# Altium PCB Motherboard PCB.PcbDoc (part 1 of 3)
Units mm, origin at the board's own origin, x right, y up, seen from the top; angles counter-clockwise.
Board outline 224.71 x 151.45 mm, 4 copper layers (Top Layer 1, Top Layer, Bottom Layer, Bottom Layer 1), stack 0.812 mm thick; 63 components, 127 nets, 504 pads, 652 vias.
Unrouted connection lines stored in the file: 1.
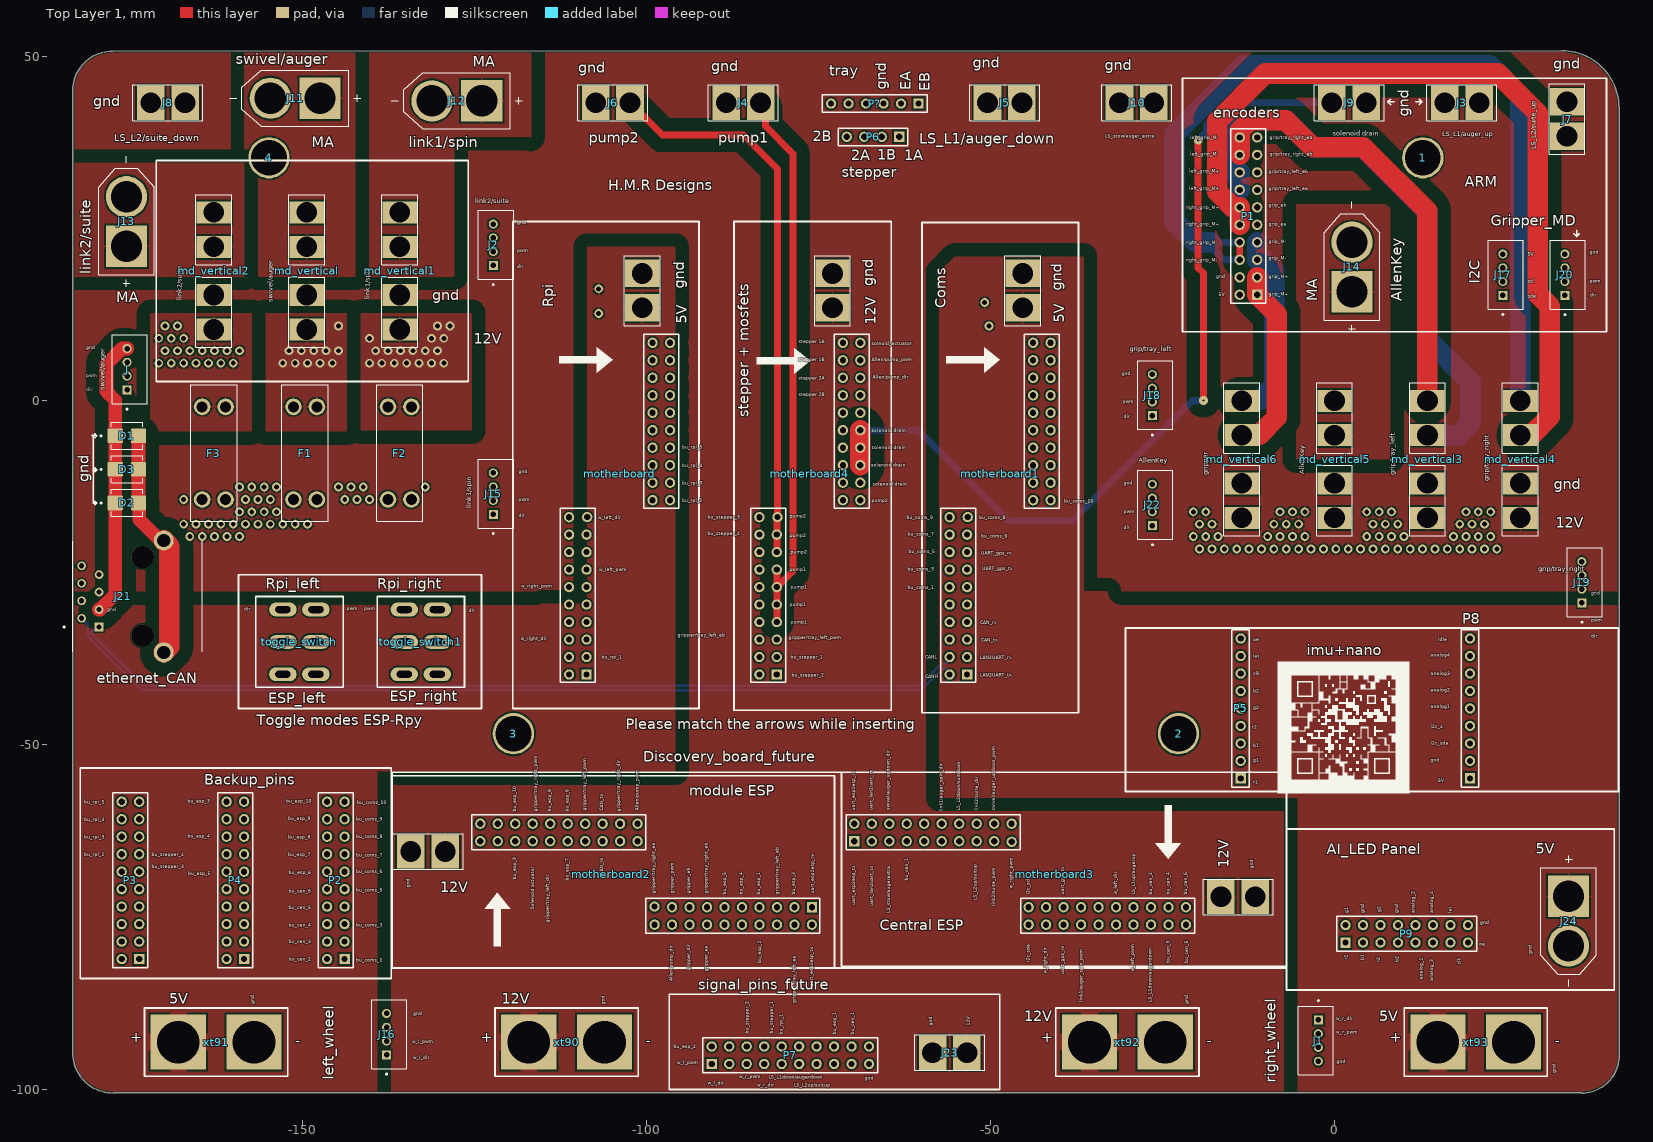
[diagram p0: Top Layer 1 view]
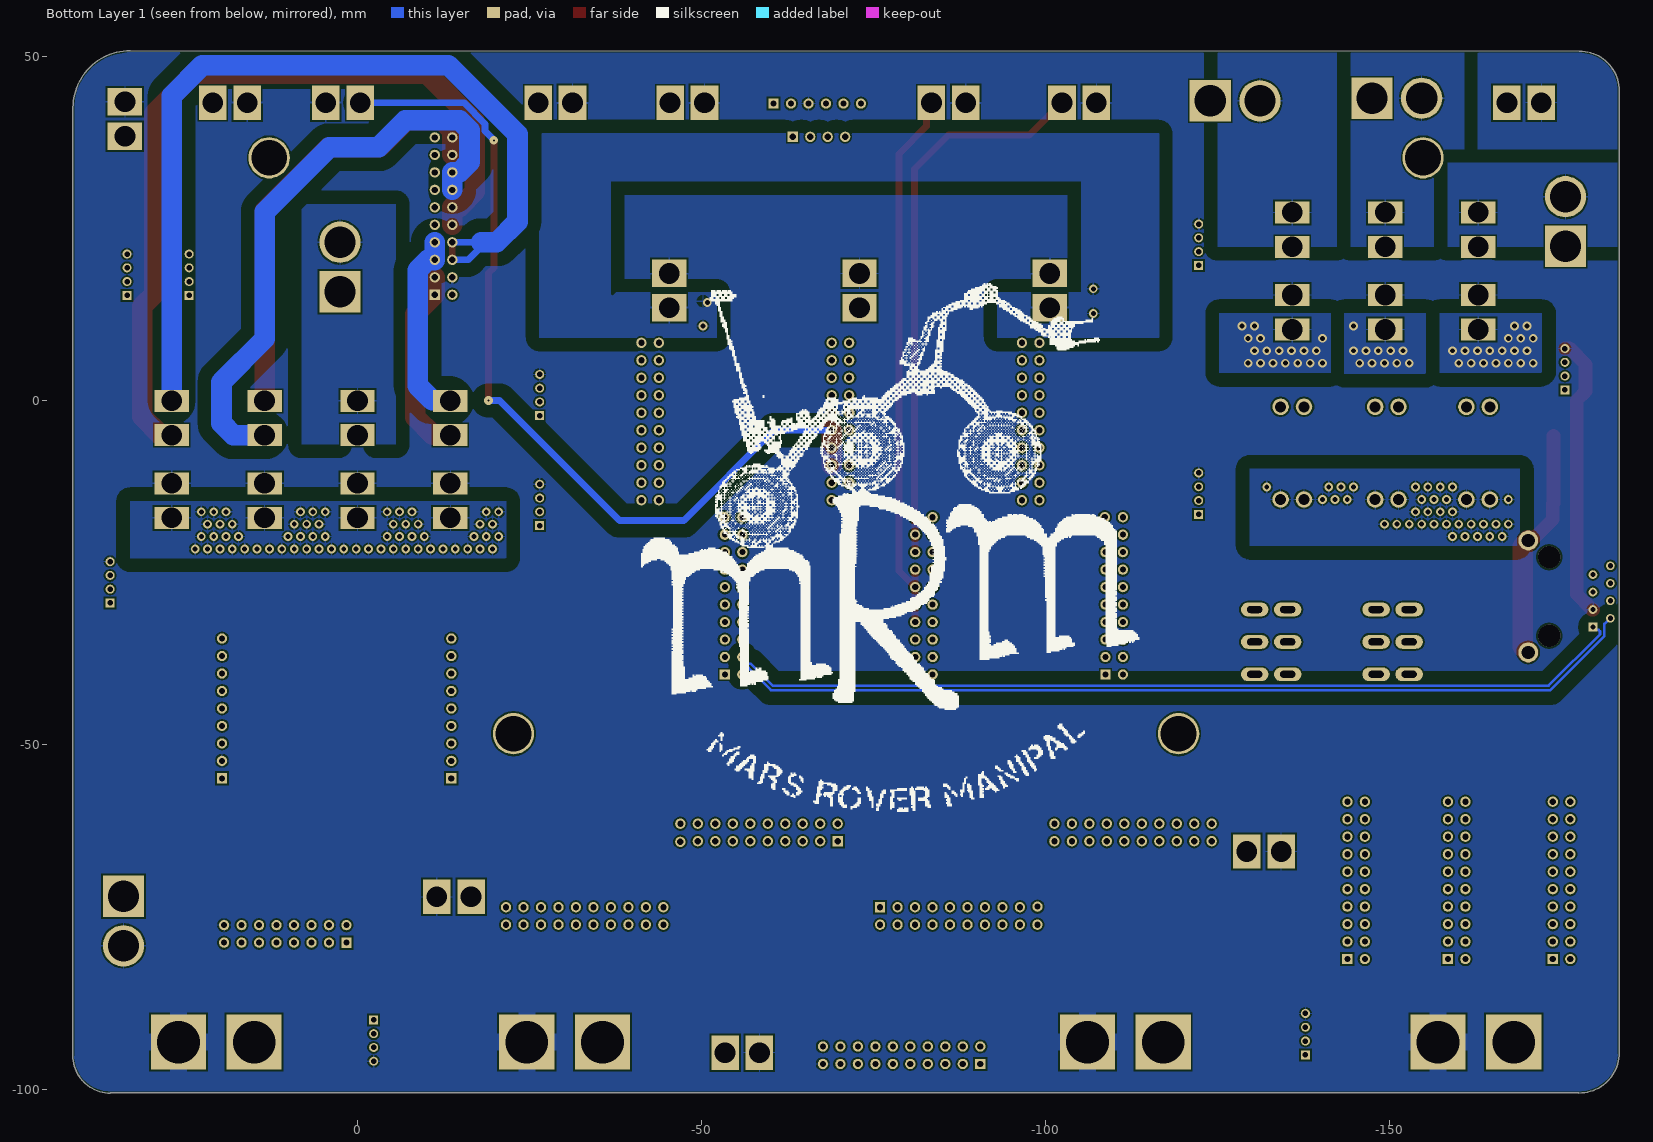
[diagram p1: Bottom Layer 1 view, seen from below]
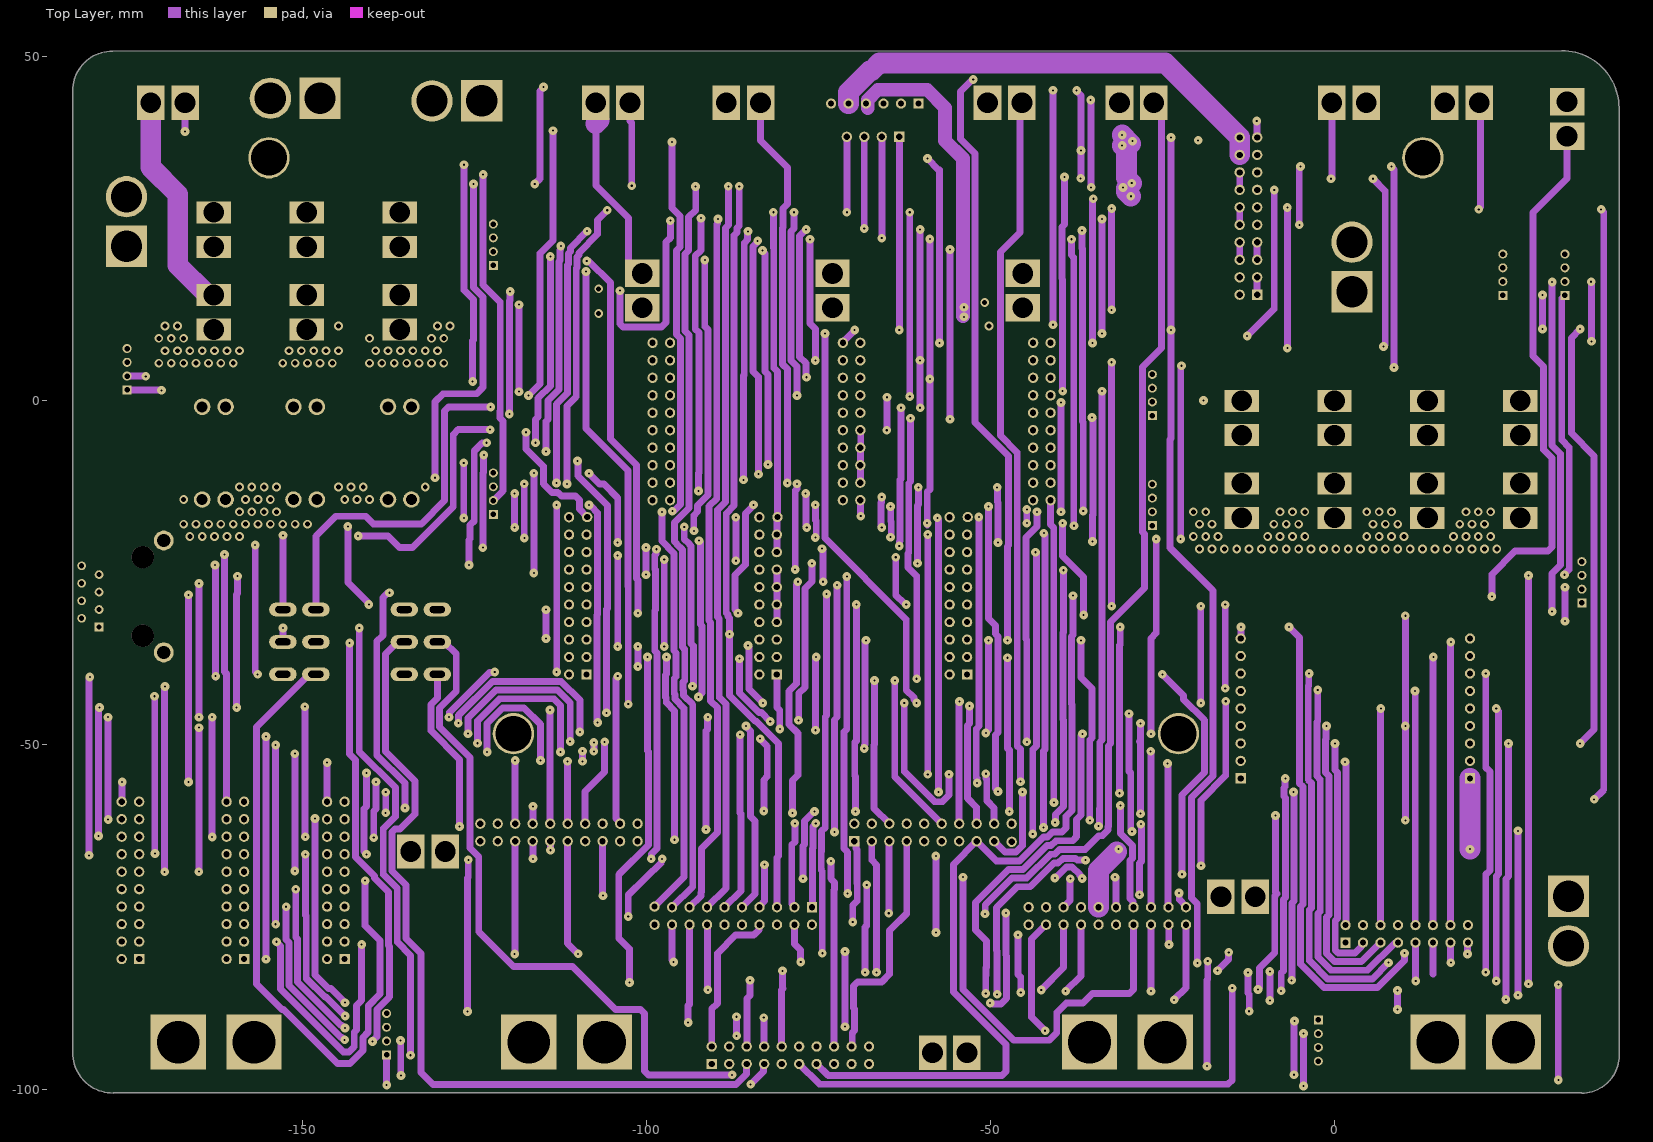
[diagram p2: Top Layer]
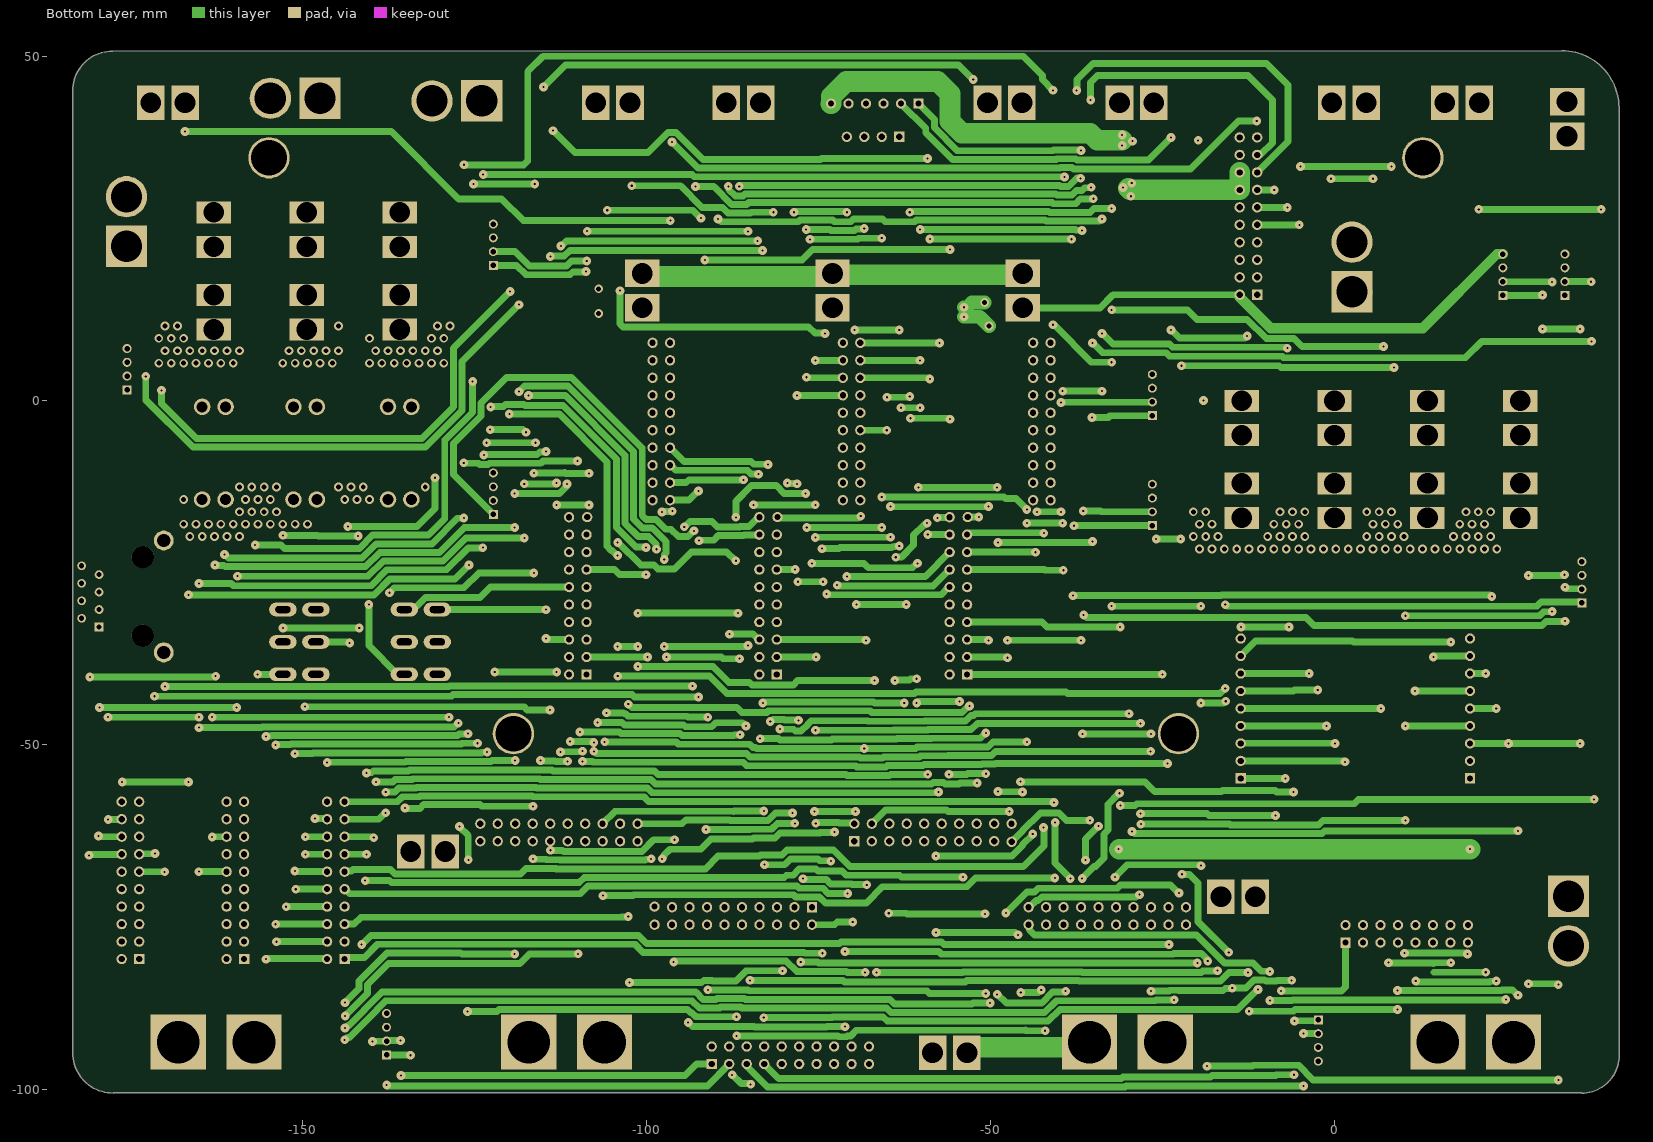
[diagram p3: Bottom Layer]

## Layer stack, top to bottom
Top Solder: solder mask 0.0102, Solder Resist, Dk 3.5
Top Layer 1: signal copper 0.105
Dielectric 1: prepreg 0.0711, PP-006, Dk 4.1
Top Layer: signal copper 0.07
Dielectric2: dielectric 0.32, FR-4, Dk 4.8
Bottom Layer: signal copper 0.07
Dielectric 2: prepreg 0.0711, PP-006, Dk 4.1
Bottom Layer 1: signal copper 0.105
Bottom Solder: solder mask 0.0102, Solder Resist, Dk 3.5

## Board outline
-183.324,-94.724 -183.324,39.306 -183.324,45.062 cw(c-177.566,45.042) -177.546,50.8 -177.546,50.819 33.02,50.864 cw(c33.02,42.545) 41.339,42.545 41.339,-95.105 41.375,-95.105 cw(c35.89,-95.105) 35.89,-100.59 35.89,-100.546 -177.47,-100.546 -177.47,-100.588 cw(c-177.47,-94.724)

## Design rules (kind name [scope] priority, off if disabled: settings)
BoardOutlineClearance [All] p1: gap=0.254 ignorepadtopadclearanceinfootprint=FALSE except(0: Arc-SplitContinuation Track-SplitContinuation SMDPad-SplitContinuation THPad-SplitContinuation Via-SplitContinuation Fill-SplitContinuation Poly-SplitContinuation Region-SplitContinuation Text-SplitContinuation)
Clearance [All] p1: gap=0.254 ignorepadtopadclearanceinfootprint=FALSE except(0: Arc-Hole Track-Hole SMDPad-Hole THPad-Hole Via-Hole Fill-Hole Poly-Hole Region-Hole Text-Hole; 2: Arc-Fill Arc-Poly Arc-Region Track-Fill Track-Poly Track-Region Fill-Fill Fill-Poly Fill-Region Poly-Poly Poly-Region Region-Region)
DiffPairsRouting [InDifferentialPair('CAN')] p1: maxlimit=0.254 minlimit=0.254 mostfreqgap=0.254 toplayer_minwidth=0.381 toplayer_maxwidth=0.381 toplayer_prefwidth=0.381 midlayer1_minwidth=0.381 midlayer1_maxwidth=0.381 midlayer1_prefwidth=0.381 midlayer2_minwidth=0.381 midlayer2_maxwidth=0.381 midlayer2_prefwidth=0.381 bottomlayer_minwidth=0.381 bottomlayer_maxwidth=0.381 bottomlayer_prefwidth=0.381 maxuncoupledlength=12.7
PolygonConnect [All] p1: connectstyle=Relief reliefconductorwidth=0.254 reliefentries=4 polygonreliefangle="90 Angle" airgapwidth=0.254
RoutingVias [All] p1: holewidth=0.711 width=1.27 viastyle="Through Hole" minholewidth=0.711 minwidth=1.27 maxholewidth=0.711 maxwidth=1.27
SolderMaskExpansion [All] p1: expansion=0.102 istentingtop=FALSE
Width [All] p1: maxlimit=10 minlimit=0.254 preferedwidth=1 minimp=50.000000 maximp=50.000000 favimp=50.000000
29 further rules are at their usual default settings.

## Classes and differential pairs
differential pair CAN: +CAN_P -can_N

## Components (designator, comment, footprint, x,y, rotation, side; value= is the part's Value field where it differs from the comment)
1 "mountinghole_np" np_mountinghole 12.827,35.306 r90 top
2 "mountinghole_np" np_mountinghole -22.657,-48.369 r90 top
3 "mountinghole_np" np_mountinghole -119.304,-48.369 r90 top
4 "mountinghole_np" np_mountinghole -154.813,35.306 r90 top
D1 "SMBJ36CA-13-F" DIONM4336X250N -175.463,-5.098 r0 top
D2 "SMBJ36CA-13-F" DIONM4336X250N -175.463,-14.841 r0 top
D3 "SMBJ36CA-13-F" DIONM4336X250N -175.463,-9.969 r0 top
F1 "3557-2" FUSE_3557-2 -149.561,-7.61 r90 top
F2 "3557-2" FUSE_3557-2 -135.823,-7.606 r90 top
F3 "3557-2" FUSE_3557-2 -162.823,-7.61 r90 top
J "110990030" SEEED_110990030 -175.438,4.59 r90 top
J1 "110990030" SEEED_110990030 -2.349,-92.957 r270 top
J2 "110990030" SEEED_110990030 -122.225,22.672 r90 top
J3 "XT30PB" XT30PB 21.002,43.307 r270 top
J4 "XT30PB" XT30PB -83.392,43.307 r270 top
J5 "XT30PB" XT30PB -45.419,43.307 r270 top
J6 "XT30PB" XT30PB -102.362,43.307 r270 top
J7 "XT30PB" XT30PB 33.782,38.434 r180 top
J8 "XT30PB" XT30PB -167.014,43.321 r270 top
J9 "XT30PB" XT30PB -0.381,43.307 r90 top
J10 "XT30PB" XT30PB -26.242,43.307 r270 top
J11 "XT60-M" AMASS_XT60-M -151.012,43.956 r180 top
J12 "XT60-M" AMASS_XT60-M -127.517,43.575 r180 top
J13 "XT60-M" AMASS_XT60-M -175.523,26.049 r90 top
J14 "XT60-M" AMASS_XT60-M 2.531,19.445 r90 top
J15 "110990030" SEEED_110990030 -122.225,-13.492 r90 top
J16 "110990030" SEEED_110990030 -137.731,-92.021 r90 top
J17 "110990030" SEEED_110990030 24.46,18.322 r90 top
J18 "110990030" SEEED_110990030 -26.467,0.828 r90 top
J19 "110990030" SEEED_110990030 35.941,-26.368 r90 top
J20 "110990030" SEEED_110990030 33.477,18.322 r90 top
J21 "RJ45-8N3-B" TE_RJ45-8N3-B -179.502,-28.43 r90 top
J22 "110990030" SEEED_110990030 -26.467,-15.127 r90 top
J23 "XT30PB" XT30PB -53.403,-94.704 r270 top
J24 "XT60-M" AMASS_XT60-M 34.004,-75.592 r270 top
md_vertical "md_vertical" md_vertical -149.323,22.336 r180 top
md_vertical1 "md_vertical" md_vertical -135.823,22.336 r180 top
md_vertical2 "md_vertical" md_vertical -162.823,22.336 r180 top
md_vertical3 "md_vertical" md_vertical 13.5,-5.03 r180 top
md_vertical4 "md_vertical" md_vertical 27,-5.03 r180 top
md_vertical5 "md_vertical" md_vertical 0,-5.03 r180 top
md_vertical6 "md_vertical" md_vertical -13.5,-5.03 r180 top
motherboard "motherboard" "motherboard 10x2" -108.584,-16.898 r0 top
motherboard1 "motherboard" "motherboard 10x2" -53.29,-16.898 r0 top
motherboard2 "motherboard" "motherboard 10x2" -98.8,-73.49 r90 top
motherboard3 "motherboard" "motherboard 10x2" -46.902,-64.082 r270 top
motherboard4 "motherboard" "motherboard 10x2" -80.937,-16.898 r0 top
P1 "Header 10X2" HDR2X10 -11.239,15.405 r90 top
P2 "Header 10X2" HDR2X10 -143.827,-81.115 r90 top
P3 "Header 10X2" HDR2X10 -173.672,-81.115 r90 top
P4 "Header 10X2" HDR2X10 -158.432,-81.115 r90 top
P5 "Header 9" HDR1X9 -13.64,-54.864 r90 top
P6 "might go in the stepper breakout board" HDR1X4 -63.246,38.354 r180 top
P7 "Header 10X2" HDR2X10 -90.487,-96.355 r0 top
P8 "Header 9" HDR1X9 19.685,-54.864 r90 top
P9 "Header 8X2" HDR2X8 1.6,-78.722 r0 top
P? "Header 6" HDR1X6 -60.452,43.18 r180 top
toggle_switch "toggle switch" "toggle switch" -150.393,-35.034 r0 top
toggle_switch1 "toggle switch" "toggle switch" -132.753,-35.034 r0 top
xt90 "xt90" xt90 -111.569,-93.18 r0 top
xt91 "xt90" xt90 -162.496,-93.18 r0 top
xt92 "xt90" xt90 -30.1,-93.18 r0 top
xt93 "xt90" xt90 20.511,-93.18 r0 top

## Footprints (in the part's own frame and the unit in brackets; to place one, negate y for a bottom-side part, rotate by r counter-clockwise, add the part's x,y. Pads: shape width x height; smd on the part's side, far side on the other; paste and mask are expansions set on the pad)
AMASS_XT60-M [mm]
  round 6 hole 4.55: N(3.6,0)
  rect 6x6 hole 4.55: P(-3.6,0)
  silkscreen extent -9.5,-4.05 9.5,4.05, body extent -7.75,-4.05 7.75,4.05, height 16
DIONM4336X250N [mm]
  rrect15% 2.22x2.13 smd: 1(-1.68,0) 2(1.68,0)
  silkscreen extent -3.85,-1.97 2.28,1.97
FUSE_3557-2 [mm]
  round 2.4 hole 1.6: 1_1(-6.735,1.7) 1_2(-6.735,-1.7) 2_1(6.735,1.7) 2_2(6.735,-1.7)
  silkscreen extent -9.9,-3.36 9.9,3.36, body extent -9.9,-3.36 9.9,3.36, height 7.37
HDR1X4 [mm] "Connector; Header; 4 Position"
  rect 1.5x1.5 hole 0.9: 1(0,0)
  round 1.5 hole 0.9: 2(2.54,0) 3(5.08,0) 4(7.62,0)
  silkscreen extent -1.27,-1.27 8.89,1.27
HDR1X6 [mm] "Connector; Header; 6 Position"
  rect 1.5x1.5 hole 0.9: 1(0,0)
  round 1.5 hole 0.9: 2(2.54,0) 3(5.08,0) 4(7.62,0) 5(10.16,0) 6(12.7,0)
  silkscreen extent -1.27,-1.27 13.97,1.27
HDR1X9 [mm] "Connector; Header; 9 Position"
  rect 1.5x1.5 hole 0.9: 1(0,0)
  round 1.5 hole 0.9: 2(2.54,0) 3(5.08,0) 4(7.62,0) 5(10.16,0) 6(12.7,0) 7(15.24,0) 8(17.78,0) 9(20.32,0)
  silkscreen extent -1.27,-1.27 21.59,1.27
HDR2X8 [mm] "Connector; Header; 8x2 Position"
  rect 1.5x1.5 hole 0.9: 1(0,0)
  round 1.5 hole 0.9: 2(0,2.54) 3(2.54,0) 4(2.54,2.54) 5(5.08,0) 6(5.08,2.54) 7(7.62,0) 8(7.62,2.54) 9(10.16,0) 10(10.16,2.54) 11(12.7,0) 12(12.7,2.54) 13(15.24,0) 14(15.24,2.54) 15(17.78,0) 16(17.78,2.54)
  silkscreen extent -1.27,-1.27 19.05,3.81
HDR2X10 [mm] "Connector; Header; 10x2 Position"
  rect 1.5x1.5 hole 0.9: 1(0,0)
  round 1.5 hole 0.9: 2(0,2.54) 3(2.54,0) 4(2.54,2.54) 5(5.08,0) 6(5.08,2.54) 7(7.62,0) 8(7.62,2.54) 9(10.16,0) 10(10.16,2.54) 11(12.7,0) 12(12.7,2.54) 13(15.24,0) 14(15.24,2.54) 15(17.78,0) 16(17.78,2.54) 17(20.32,0) 18(20.32,2.54) 19(22.86,0) 20(22.86,2.54)
  silkscreen extent -1.27,-1.27 24.13,3.81
md_vertical [mm]
  rect 5x3.2 hole 3: 1(0,11.97) 2(0,6.97) 3(0,-0.03) 4(0,-5.03)
  silkscreen extent -2.6,-7.63 2.6,14.57, body extent -2.6,-7.63 2.6,14.57, height 10.66
"motherboard 10x2" [mm]
  rect 1.5x1.5 hole 0.9: 1(-0.092,-22.872)
  round 1.5 hole 0.9: 2(-2.632,-22.872) 3(-0.092,-20.332) 4(-2.632,-20.332) 5(-0.092,-17.792) 6(-2.632,-17.792) 7(-0.092,-15.252) 8(-2.632,-15.252) 9(-0.092,-12.712) 10(-2.632,-12.712) 11(-0.092,-10.172) 12(-2.632,-10.172) 13(-0.092,-7.632) 14(-2.632,-7.632) 15(-0.092,-5.092) 16(-2.632,-5.092) 17(-0.092,-2.552) 18(-2.632,-2.552) 19(0,0) 20(-2.632,-0.012) 21(12.04,2.458) 22(9.5,2.458) 23(12.04,4.998) 24(9.5,4.998) 25(12.04,7.538) 26(9.5,7.538) 27(12.04,10.078) 28(9.5,10.078) 29(12.04,12.618) 30(9.5,12.618) 31(12.04,15.158) 32(9.5,15.158) 33(12.04,17.698) 34(9.5,17.698) 35(12.04,20.238) 36(9.5,20.238) 37(12.04,22.778) 38(9.5,22.778) 39(12.04,25.318) 40(9.5,25.318)
  rect 5x4 hole 3: pow+(8,30.398) pow-(8,35.398)
  silkscreen extent -3.9,-24.02 13.31,38, body extent 5.4,27.8 10.6,38, height 10.66
np_mountinghole [mm]
  round 6 hole 5.2 unplated: MH_NP_6mm(0,0)
SEEED_110990030 [mm]
  rect 1.308x1.308 hole 0.8: 1(-3,0)
  round 1.308 hole 0.8: 2(-1,0) 3(1,0) 4(3,0)
  silkscreen extent -5.9,-2.95 5,2.15
TE_RJ45-8N3-B [mil]
  rect 50x50 hole 30: 1(-175,0)
  round 50 hole 30: 2(-125,100) 3(-75,0) 4(-25,100) 5(25,0) 7(125,0) 8(175,100)
  round 49.92 hole 29.92: 6(75,100)
  round 114 hole 76: 9(-320,-370) 10(320,-370)
  round 128 hole 128 unplated: ""(-225,-250) ""(225,-250)
  silkscreen extent -315,-590 315,204
"toggle switch" [mm]
  oval 4x2 hole 1 slot 2.2 at 0 deg: 1(-2.4,4.7) 2(-2.4,0) 3(-2.4,-4.7) 4(2.4,4.7) 5(2.4,0) 6(2.4,-4.7)
  silkscreen extent -6.35,-6.6 6.35,6.6
XT30PB [mm]
  rect 5x4 hole 3: 1(0,0) 2(0,-5)
  silkscreen extent -2.6,-7.6 2.6,2.6, body extent -2.6,-7.6 2.6,2.6, height 10.66
xt90 [mm]
  rect 8x8 hole 6.2: 1(-5.5,0) 2(5.5,0)
  silkscreen extent -10.4,-4.95 10.4,4.95

## Part data
D1 D2 D3: "SMBJ36CA Series 600 W 36 V Surface Mount Bi-Directional TVS Diode - DO-214AA", Package=None, Availability=Unavailable, MP=SMBJ36CA-13-F, Price=None
F1 F2 F3: Package=None, Availability=Unavailable, MP=3557-2, Price=None
J J1 J2 J15 J16 J17 J18 J19 J20 J22: "GROVE 2MM 4PIN VERT CONN 10PCS", Package=None, Arrow_Electronics-Purchase-URL=https://snapeda.com/shop?store=Arrow+Electronics&id=583576, Availability=Good, MF="Seeed Technology", Mouser-Purchase-URL=https://snapeda.com/shop?store=Mouser&id=583576, MP=110990030, Price=None, SnapEDA_Link=https://www.snapeda.com/parts/110990030/Seeed%20Technology%20Co.,%20Ltd/view-part/583576/?ref=snap
J3 J4 J5 J6 J7 J8 J9 J10 J23: "Connector", Manufacturer_Name=Amass, Datasheet Link=https://www.tme.eu/Document/4acc913878197f8c2e30d4b8cdc47230/XT30UPB%20SPEC.pdf, Height=10.7mm, Manufacturer_Part_Number=XT30PB
J11 J12 J13 J14 J24: "Plug; DC supply; XT60; male; PIN: 2; for cable; soldered; 30A; 500V", Package=Package, Availability="Not in stock", Check_prices=https://www.snapeda.com/parts/XT60-M/AMASS/view-part/?ref=eda, MF=AMASS, MP=XT60-M, Price=None, SnapEDA_Link=https://www.snapeda.com/parts/XT60-M/AMASS/view-part/?ref=snap
J21: "Connector RJ-45 Female 8 Position 2.54mm Solder Right Angle Through Hole 8 Terminal", Package=None, Availability=Unavailable, MF="TE Connectivity", MP=RJ45-8N3-B, Price=None, SnapEDA_Link=https://www.snapeda.com/parts/RJ45-8N3-B/TE%20Connectivity%20Corcom%20Filters/view-part/2770351/?ref=snap, TE_purchase_URL=https://www.te.com/usa-en/product-1-6609212-3.html?te_bu=Cor&te_type=disp&te_campaign=seda_glo_cor-seda-global-disp-prtnr-fy19-seda-model-bom-cta_sma-317_1&elqCampaignId=32493
P1 P2 P3 P4 P7: "Header, 10-Pin, Dual row", LatestRevisionDate=17-Jul-2002, LatestRevisionNote="Re-released for DXP Platform.", Publisher="Altium Limited"
P5 P8: "Header, 9-Pin", LatestRevisionDate=17-Jul-2002, LatestRevisionNote="Re-released for DXP Platform.", Publisher="Altium Limited"
P6: library part "Header 4", "Header, 4-Pin", LatestRevisionDate=17-Jul-2002, LatestRevisionNote="Re-released for DXP Platform.", Publisher="Altium Limited"
P9: "Header, 8-Pin, Dual row", LatestRevisionDate=17-Jul-2002, LatestRevisionNote="Re-released for DXP Platform.", Publisher="Altium Limited"
P?: "Header, 6-Pin", LatestRevisionDate=17-Jul-2002, LatestRevisionNote="Re-released for DXP Platform.", Publisher="Altium Limited"

## Via types
v1: diameter 1.27, hole 0.3, Top Layer to Bottom Layer, 501 vias
v2: diameter 1.27, hole 0.711, Top Layer 1 to Bottom Layer 1, 149 vias
v3: diameter 1.27, hole 0.3, Top Layer 1 to Bottom Layer 1, 2 vias
